# Altium PCB 平衡车Board_V1.0.PcbDoc
Units mm, origin at the board's own origin, x right, y up, seen from the top; angles counter-clockwise.
Board outline 90 x 59 mm, 2 copper layers (Top Layer, Bottom Layer); 62 components, 56 nets, 253 pads, 56 vias.
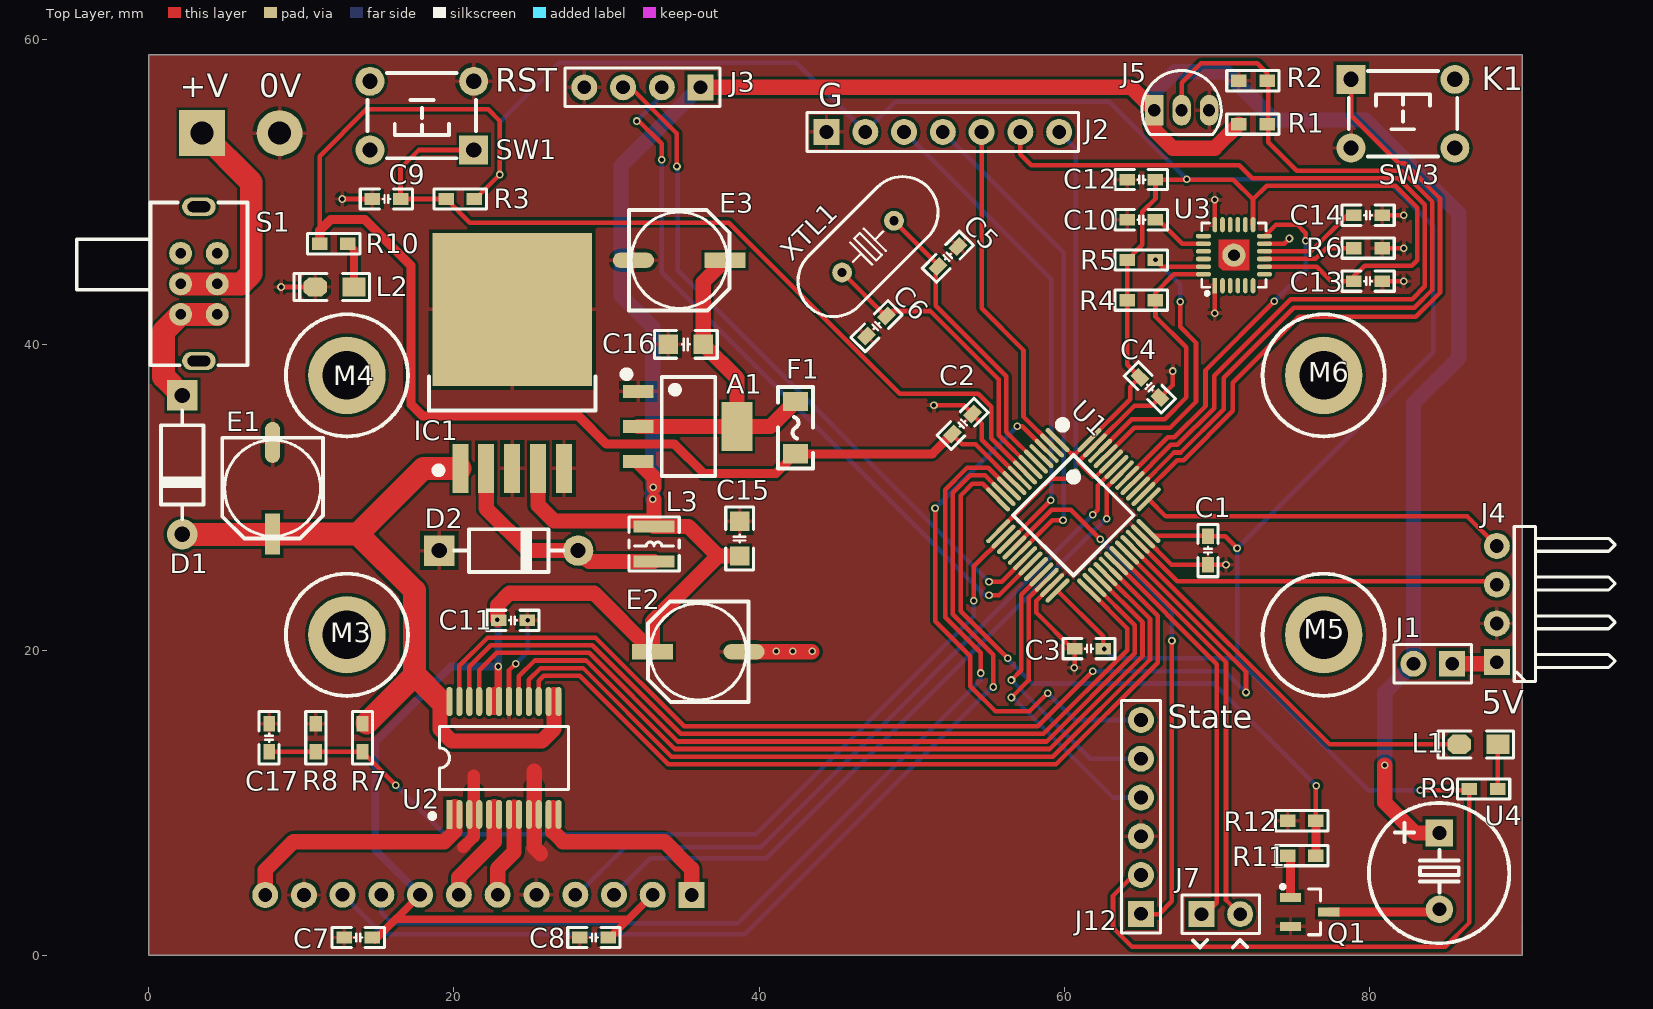
[diagram p0: Top Layer view]
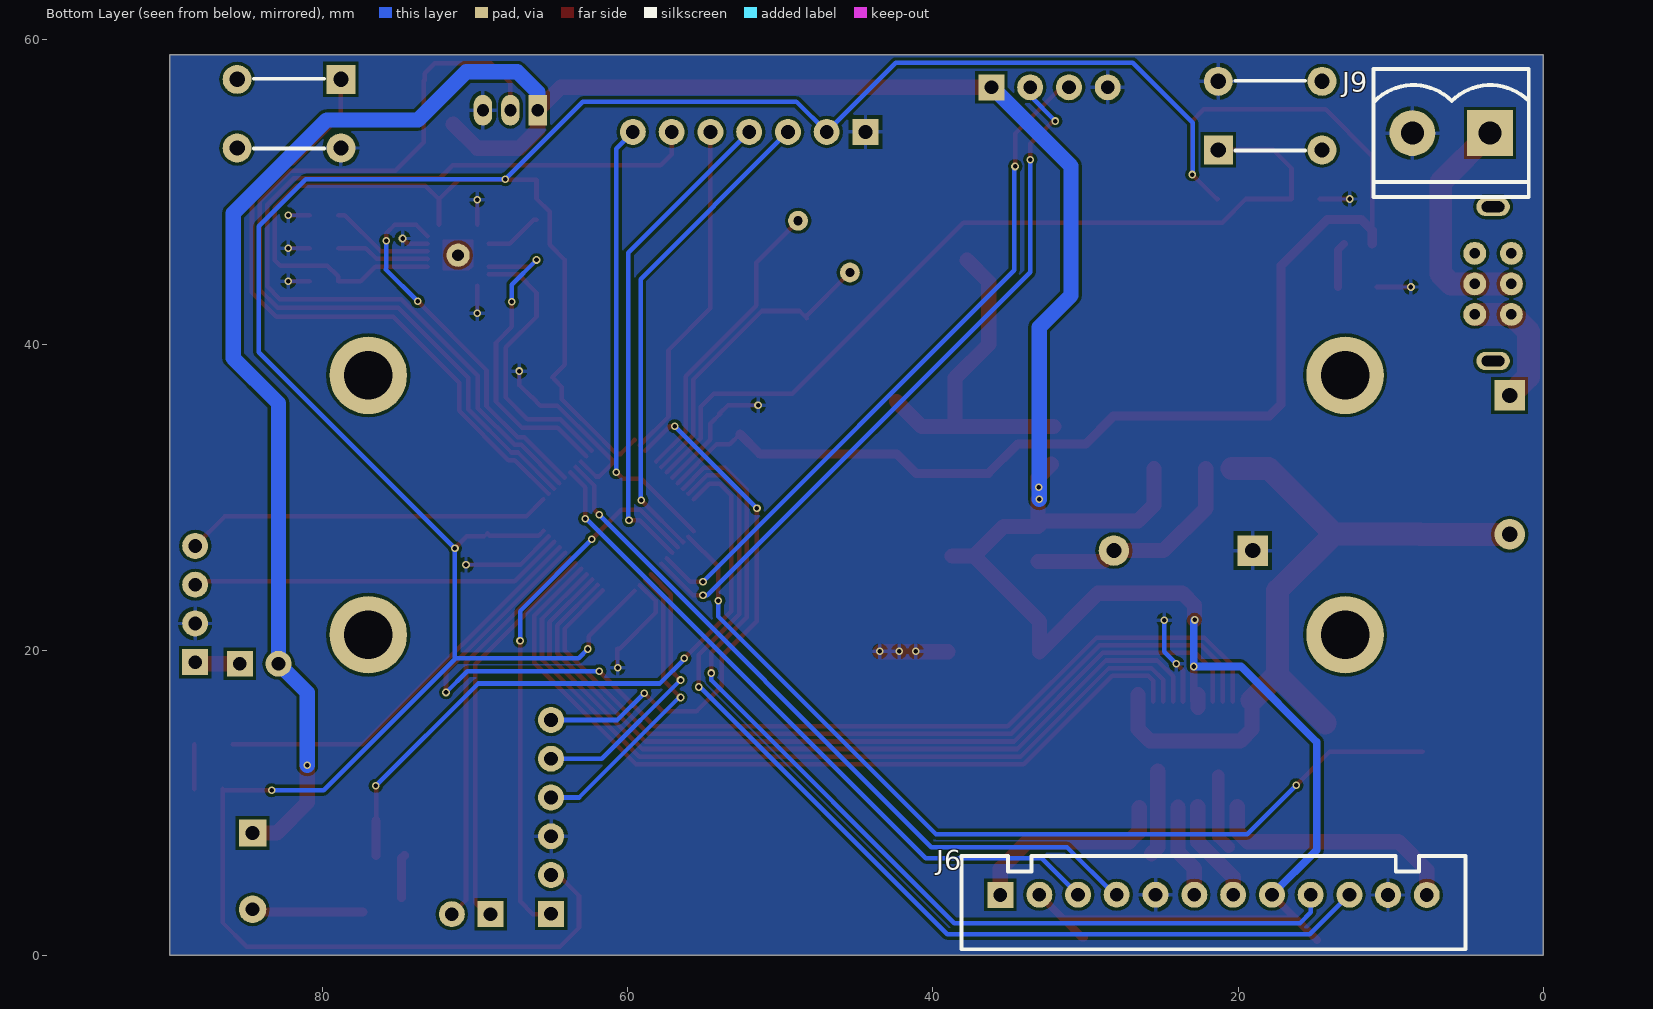
[diagram p1: Bottom Layer view, seen from below]

## Layer stack, top to bottom
Top Layer: signal copper 0.0356
Dielectric: dielectric 0.32, FR-4, Dk 4.8
Bottom Layer: signal copper 0.0356

## Board outline
0,0 0,59 90,59 90,0

## Design rules (kind name [scope] priority, off if disabled: settings)
Clearance [All] p1: gap=0.196
HoleSize [All] p1: absolutevalues=TRUE maxlimit=12.7 minlimit=0.025 maxpercent=80.000 minpercent=20.000
HoleToHoleClearance [All] p1: gap=0 allowstackedmicrovias=TRUE
MinimumSolderMaskSliver [All] p1: minsoldermaskwidth=0
PolygonConnect [All] p1: connectstyle=Relief reliefconductorwidth=0.254 reliefentries=4 polygonreliefangle="90 Angle" airgapwidth=0.254
RoutingVias [All] p1: holewidth=0.305 width=0.508 viastyle="Through Hole" minholewidth=0.305 minwidth=0.508 maxholewidth=0.305 maxwidth=0.508
SilkToSilkClearance [All] p1: silktosilkclearance=0
SilkscreenOverComponentPads [All] p1: minsilkscreentomaskgap=0
SolderMaskExpansion [All] p1: expansion=0.102
Width Width_5 [InNet('0V')] p1: maxlimit=1.016 minlimit=0.508 preferedwidth=0.508
Width Width_4 [InNet('OUTPUT')] p2: maxlimit=1.016 minlimit=1.016 preferedwidth=1.016
Width Width_3 [InNet('+24')] p3: maxlimit=1.016 minlimit=0.254 preferedwidth=1.016
Width Width_2 [InNet('24V')] p4: maxlimit=1.016 minlimit=1.016 preferedwidth=1.016
Width Width_1 [InNet('3V3')] p5: maxlimit=0.381 minlimit=0.254 preferedwidth=0.381
Width [All] p6: maxlimit=2.032 minlimit=0.254 preferedwidth=0.254
23 further rules are at their usual default settings.

## Components (designator, comment, footprint, x,y, rotation, side; value= is the part's Value field where it differs from the comment)
A1 "AMS117-3.3" SOT223_N 35.382,34.646 r270 top
C1 "104" "C 0603_M" 69.418,26.518 r90 top
C2 "104" "C 0603_M" 53.34,34.823 r225 top
C3 "104" "C 0603_M" 61.62,20.091 r0 top
C4 "104" "C 0603_M" 65.608,37.211 r135 top
C5 "20pF" "C 0603_M" 52.375,45.771 r225 top
C6 "20pF" "C 0603_M" 47.701,41.224 r45 top
C7 "104" "C 0603_M" 13.741,1.168 r0 top
C8 "104" "C 0603_M" 29.185,1.168 r0 top
C9 "104" "C 0603_M" 15.583,49.555 r0 top
C10 "2.2nf" "C 0603_M" 65.049,48.192 r180 top
C11 "104" "C 0603_M" 23.876,21.946 r180 top
C12 "104" "C 0603_M" 65.049,50.825 r0 top
C13 "104" "C 0603_M" 79.908,44.171 r0 top
C14 "104" "C 0603_M" 79.908,48.489 r180 top
C15 "105" "C 0805_M" 38.735,27.305 r270 top
C16 "105" "C 0805_M" 35.204,40.03 r0 top
C17 "104" "C 0603_M" 7.899,14.251 r270 top
D1 "1N4007" DO-41 2.21,32.131 r270 top
D2 "1N4007" DO-41 23.597,26.518 r0 top
E1 "10uF/10V" "CM D(6.3*7.7)" 8.128,30.607 r270 top
E2 "10uF/10V" "CM D(6.3*7.7)" 36.017,19.888 r180 top
E3 "10uF/10V" "CM D(6.3*7.7)" 34.773,45.542 r0 top
F1 "FUSE" "FU 1206" 42.393,34.569 r90 top
IC1 "LM2596-5.0V" TO263-5A 23.825,31.902 r0 top
J1 "CON2" HDR2.54-LI-2P 84.15,19.101 r180 top
J2 "CON7" "HDR2.54-M-LI-7P - for-Oled" 52.045,53.95 r0 top locked
J3 "CON4" HDR2.54-M-LI-4P 32.36,56.871 r180 top
J4 "CON4" HDR2.54-WI-4P 88.343,23.012 r90 top
J5 "CON3" "TO92A - duplicate" 67.691,55.372 r270 top
J6 "CON12" XH2.54-LI-12P 21.615,3.962 r180 bottom
J7 "CON2" HDR2.54-LI-2P 70.256,2.692 r0 top
J9 "CON2" CZ-5.08-L-Z-2P 3.505,53.873 r0 bottom
J12 "CON6" "HDR2.54-M-LI-6P - for-wifi" 65.024,9.068 r90 top
L1 "LED_0805" "LED 0805G" 87.147,13.818 r180 top
L2 "LED_0805" "LED 0805G" 12.192,43.79 r180 top
L3 "33uH" NR3012 33.122,26.949 r90 top
M3 "M3" M3x20_L 13,21 r0 top locked
M4 "M3" M3x20_L 13,38 r0 top locked
M5 "M3" M3x20_L 77,21 r0 top locked
M6 "M3" M3x20_L 77,38 r0 top locked
Q1 "8050" SOT23-3M 74.828,2.845 r270 top
R1 "10K" "R 0603_M" 72.365,54.458 r180 top
R2 "10K" "R 0603_M" 72.365,57.302 r180 top
R3 "5.1K" "R 0603_M" 20.422,49.555 r0 top
R4 "10K" "R 0603_M" 65.049,42.926 r180 top
R5 "10K" "R 0603_M" 65.049,45.559 r180 top
R6 "10K" "R 0603_M" 79.908,46.33 r0 top
R7 "10K" "R 0603_M" 14.021,14.251 r90 top
R8 "1K" "R 0603_M" 10.96,14.249 r270 top
R9 "1K" "R 0603_M" 87.478,10.897 r0 top
R10 "1K" "R 0603_M" 12.141,46.622 r0 top
R11 "1K" "R 0603_M" 75.565,6.528 r0 top
R12 "10K" "R 0603_M" 75.565,8.814 r0 top
S1 "SK-22D02" SK-22D02 3.302,43.993 r270 top
SW1 "3x6x5" "TSW DIP-6*6*5" 17.907,55.016 r180 top
SW3 "3x6x5" "TSW DIP-6*6*5" 82.194,55.143 r0 top
U1 "STM32F103C" "LQFP48 7X7_M" 60.604,28.829 r225 top locked
U2 "TB6612FNG" SSOP24_M 23.292,12.929 r90 top
U3 "MPU6050" "QFN24 4x4_M" 71.12,45.872 r0 top
U4 "蜂鸣器" "BEEP 5x9x5.5" 84.582,5.512 r180 top
XTL1 "8M" "OSC HC-49S" 47.142,46.431 r45 top

## Footprints (in the part's own frame and the unit in brackets; to place one, negate y for a bottom-side part, rotate by r counter-clockwise, add the part's x,y. Pads: shape width x height; smd on the part's side, far side on the other; paste and mask are expansions set on the pad)
"BEEP 5x9x5.5" [mm]
  rect 1.8x1.8 hole 0.9: 1(0,-2.5)
  round 1.8 hole 0.9: 2(0,2.5)
  silkscreen extent -4.58,-4.47 4.62,4.72, body extent -4.5,-4.5 4.5,4.5, height 5.45
"C 0603_M" [mil]
  rect 40x30 smd: 1(-36.5,0) 2(36.5,0)
  silkscreen extent -68,-26 68,26, body extent -31,-16 31,16, height 32
"C 0805_M" [mil]
  rect 50x50 smd: 1(-45,0) 2(45,0)
  silkscreen extent -81,-36 81,36, body extent -39,-24 39,24, height 20
"CM D(6.3*7.7)" [mm]
  rect 2.7x1 smd: 1(3,0)
  oval 2.7x1 smd: 2(-3,0)
  silkscreen extent -3.3,-3.3 3.3,3.3, body extent -3.5,-3.3 3.5,3.3, height 7.7
CZ-5.08-L-Z-2P [mm]
  rect 3x3 hole 1.5: 1(0,0)
  round 3 hole 1.5: 2(5.08,0)
  silkscreen extent -2.54,-4.2 7.62,4.2, body extent -2.48,-4.2 7.68,4.2, height 10.27
DO-41 [mm]
  rect 2x2 hole 1: 1(-4.55,0)
  round 2 hole 1: 2(4.55,0)
  silkscreen extent -3.56,-1.4 3.56,1.4, body extent -4.92,-1.29 4.98,1.31, height 2.65
"FU 1206" [mil]
  rect 50x65 smd: 1(-67.5,0) 2(67.5,0)
  silkscreen extent -105,-45 105,45, body extent -63,-32 63,32, height 34
HDR2.54-LI-2P [mm]
  rect 1.7x1.7 hole 0.9: 1(-1.27,0)
  round 1.7 hole 0.9: 2(1.27,0)
  silkscreen extent -2.54,-1.27 2.54,1.27, body extent -2.54,-1.27 2.54,1.27, height 8.5
HDR2.54-M-LI-4P [mm]
  rect 1.7x1.7 hole 0.9: 1(-3.81,0)
  round 1.7 hole 0.9: 2(-1.27,0) 3(1.27,0) 4(3.81,0)
  silkscreen extent -5.08,-1.27 5.08,1.27, body extent -5.08,-1.27 5.08,1.27, height 8.5
"HDR2.54-M-LI-6P - for-wifi" [mm]
  rect 1.7x1.7 hole 0.9: 1(-6.35,0)
  round 1.7 hole 0.9: 2(-3.81,0) 3(-1.27,0) 4(1.27,0) 5(3.81,0) 6(6.35,0)
  silkscreen extent -7.62,-1.27 7.62,1.27, body extent -9.5,-1.27 9.5,27.73, height 14
"HDR2.54-M-LI-7P - for-Oled" [mm]
  rect 1.7x1.7 hole 0.9: 1(-7.62,0)
  round 1.7 hole 0.9: 2(-5.08,0) 3(-2.54,0) 4(0,0) 5(2.54,0) 6(5.08,0) 7(7.62,0)
  silkscreen extent -8.89,-1.27 8.89,1.27, body extent -13.7,-26.28 13.6,1.52, height 14.01
HDR2.54-WI-4P [mm]
  rect 1.7x1.7 hole 0.9: 1(-3.81,0)
  round 1.7 hole 0.9: 2(-1.27,0) 3(1.27,0) 4(3.81,0)
  silkscreen extent -5.08,-7.76 5.08,-1.14, body extent -5.08,-7.77 5.08,1.27, height 4.85
"LED 0805G" [mil]
  rect 60x50 smd: 1(-50,0)
  oct 60x50 smd: 2(50,0)
  silkscreen extent -90,-35 105,35, body extent -39,-25 39,25, height 32
"LQFP48 7X7_M" [mm]
  oval 0.3x2.1 smd: 1(-2.75,-4.227) 2(-2.25,-4.227) 3(-1.75,-4.227) 4(-1.25,-4.227) 5(-0.75,-4.227) 6(-0.25,-4.227) 7(0.25,-4.227) 8(0.75,-4.227) 9(1.25,-4.227) 10(1.75,-4.227) 11(2.25,-4.227) 12(2.75,-4.227) 25(2.75,4.202) 26(2.25,4.202) 27(1.75,4.202) 28(1.25,4.202) 29(0.75,4.202) 30(0.25,4.202) 31(-0.25,4.202) 32(-0.75,4.202) 33(-1.25,4.202) 34(-1.75,4.202) 35(-2.25,4.202) 36(-2.75,4.202)
  oval 2.1x0.3 smd: 13(4.227,-2.75) 14(4.227,-2.25) 15(4.227,-1.75) 16(4.227,-1.25) 17(4.227,-0.75) 18(4.227,-0.25) 19(4.227,0.25) 20(4.227,0.75) 21(4.227,1.25) 22(4.227,1.75) 23(4.227,2.25) 24(4.227,2.75) 37(-4.227,2.75) 38(-4.227,2.25) 39(-4.227,1.75) 40(-4.227,1.25) 41(-4.227,0.75) 42(-4.227,0.25) 43(-4.227,-0.25) 44(-4.227,-0.75) 45(-4.227,-1.25) 46(-4.227,-1.75) 47(-4.227,-2.25) 48(-4.227,-2.75)
  silkscreen extent -3.93,-4.95 2.79,2.79, body extent -4.5,-4.5 4.5,4.5, height 1.45
M3x20_L [mm]
  round 5.08 hole 3.175: 1(0,0)
  silkscreen extent -4,-4 4,4, body extent -2.7,-2.35 2.7,2.35, height 20.05
NR3012 [mm]
  rect 0.8x2.7 smd: 1(-1.15,0) 2(1.15,0)
  silkscreen extent -1.78,-1.65 1.78,1.65, body extent -1.5,-1.5 1.5,1.5, height 1.35
"OSC HC-49S" [mm]
  round 1.3 hole 0.6: 1(-2.4,0) 2(2.4,0)
  silkscreen extent -5.52,-2.32 5.52,2.33, body extent -5.52,-2.32 5.53,2.33, height 4.13
"QFN24 4x4_M" [mm]
  rect 0.3x1 smd: 1(-1.25,-2)
  oval 0.3x1 smd: 2(-0.75,-2) 3(-0.25,-2) 4(0.25,-2) 5(0.75,-2) 6(1.25,-2) 13(1.25,2) 14(0.75,2) 15(0.25,2) 16(-0.25,2) 17(-0.75,2) 18(-1.25,2)
  oval 1x0.3 smd: 7(2,-1.25) 8(2,-0.75) 9(2,-0.25) 10(2,0.25) 11(2,0.75) 12(2,1.25) 19(-2,1.25) 20(-2,0.75) 21(-2,0.25) 22(-2,-0.25) 23(-2,-0.75) 24(-2,-1.25)
  rect 1x1 smd: 25(0,0)
  Top Layer region: -1,1 1,1 1,-1 -0.75,-1 -1,-0.75
  silkscreen extent -2.11,-2.6 2.11,2.11, body extent -2.01,-2.01 2.01,2.01, height 0.95
"R 0603_M" [mil]
  rect 40x31.5 smd: 1(-36.5,0) 2(36.5,0)
  silkscreen extent -68,-26 68,26, body extent -31,-16 32,16, height 16
SK-22D02 [mm]
  oval 1.2x2.2 hole 0.7 slot 1.5 at 90 deg: 0(-5.05,0) 0(5.05,0)
  round 1.5 hole 0.7: 1(-2,-1.2) 2(0,-1.2) 3(2,-1.2) 4(2,1.2) 5(0,1.2) 6(-2,1.2)
  silkscreen extent -5.33,-8 5.33,3.18, body extent -5.27,-7.96 5.25,3.05, height 5.59
SOT23-3M [mm]
  rect 0.6x1.4 smd: 1(-0.95,0) 2(0.95,0) 3(0,2.514)
  silkscreen extent -1.78,-0.63 1.5,1.97, body extent -1.5,0.07 1.5,2.47, height 1.05
SOT223_N [mm]
  rect 0.85x2 smd: 1(-2.3,-3.302) 2(0,-3.302) 3(2.3,-3.302)
  rect 3.2x2 smd: 2(0,3.175)
  silkscreen extent -3.63,-4.26 3.25,1.75, body extent -3.25,-3.51 3.25,3.51, height 1.65
SSOP24_M [mm]
  rect 1.9x0.4 smd: 1(-3.7,3.575)
  oval 1.9x0.4 smd: 2(-3.7,2.925) 3(-3.7,2.275) 4(-3.7,1.625) 5(-3.7,0.975) 6(-3.7,0.325) 7(-3.7,-0.325) 8(-3.7,-0.975) 9(-3.7,-1.625) 10(-3.7,-2.275) 11(-3.7,-2.925) 12(-3.7,-3.575) 13(3.7,-3.575) 14(3.7,-2.925) 15(3.7,-2.275) 16(3.7,-1.625) 17(3.7,-0.975) 18(3.7,-0.325) 19(3.7,0.325) 20(3.7,0.975) 21(3.7,1.625) 22(3.7,2.275) 23(3.7,2.925) 24(3.7,3.575)
  silkscreen extent -3.93,-4.23 2.06,4.83, body extent -3.85,-4.15 3.85,4.15, height 1.65
"TO92A - duplicate" [mm]
  rect 2x1.2 hole 0.8: 1(0,-1.8)
  oval 2x1.2 hole 0.8: 2(0,0) 3(0,1.8)
  silkscreen extent -2.6,-2.6 1.6,2.6, body extent -2.3,-2.3 1.3,2.3, height 7.6
TO263-5A [mm]
  rect 1.05x3.2 smd: 1(-3.4,0) 2(-1.7,0) 3(0,0) 4(1.7,0) 5(3.4,0)
  rect 10.45x10 smd: 3(0,10.414)
  silkscreen extent -5.46,-0.33 5.46,6.04, body extent -5,-0.01 5,13.32, height 4.5
"TSW DIP-6*6*5" [mm]
  rect 1.9x1.9 hole 1: 1(-3.4,2.25)
  round 1.9 hole 1: 2(-3.4,-2.25) 3(3.4,-2.25) 4(3.4,2.25)
  silkscreen extent -3.56,-2.79 3.56,2.79, body extent -4.11,-3 4.11,3, height 4.95
XH2.54-LI-12P [mm]
  rect 1.7x1.7 hole 0.9: 1(-13.97,-0.009)
  round 1.7 hole 0.9: 2(-11.417,0.003) 3(-8.877,0.003) 4(-6.35,0.009) 5(-3.797,0.003) 6(-1.257,0.003) 7(1.283,0.003) 8(3.823,0.003) 9(6.363,0.003) 10(8.903,0.003) 11(11.43,-0.009) 12(13.97,-0.009)
  silkscreen extent -16.51,-3.57 16.51,2.53, body extent -16.47,-3.31 16.47,2.39, height 7.05

## Free pads (board coordinates)
  round 1.524 hole 0.762: 1(71.12,45.872)

## Via types
v1: diameter 0.5, hole 0.3, Top Layer to Bottom Layer, 42 vias
v2: diameter 0.508, hole 0.305, Top Layer to Bottom Layer, 14 vias

## Nets (pads, with @x,y where several pads share a name; then routed paths per layer and width w, separated by ;. In a path a pad name is that pad's centre, name@x,y a point inside that pad or via, vN(x,y) a via of type N, cw(c..) or ccw(c..) an arc to the next point about the centre after c; other vN are vias at no path point)
3.3V: C1.2 C2.2 C3.2 C4.2 C12.2 C13.1 F1.1 J2.2 J12.2 R3.2 R4.2 R5.2 R9.1 R10.1 U1.1 U1.9 U1.24 U1.36 U1.48 U3.8 U3.13 | length 326
  Top Layer w0.3: R10.1 11.214,52.362 14.275,55.423 22.25,55.423 23.012,54.661 v1(23.012,51.156) 21.412,49.555 R3.2 ; C2.2@52.646,34.155 53.324,33.477 54.188,33.477 U1.9 ; U1.24 62.547,20.908 C3.2 ; U1.1 60.477,32.845 60.738,32.845 61.507,33.614 61.507,33.62 U1.48@61.601,33.715 ; U1.48 64.313,36.426 64.313,37.236 C4.2@64.846,37.77 ; C4.2 64.122,38.697 R4.2 R5.2 65.123,46.56 65.123,48.716 65.977,49.57 C12.2 71.069,50.825 72.37,49.525 ; J12.2 64.541,5.258 63.195,3.912 63.195,1.803 64.44,0.559 84.963,0.559 86.55,2.146 R9.1 86.474,10.82 v1(83.337,10.82) ; U1.36 65.84,27.483 69.037,27.483 C1.2@69.19,27.635 ; C1.2 70.549,27.445 v1(71.323,26.67) ; U3.13 72.37,49.525 ; U3.8 76.544,45.122 77.495,44.171 C13.1 78.981,44.488 79.68,45.187 82.779,45.187 83.134,45.542 83.134,48.971 81.686,50.419 73.264,50.419 72.37,49.525
  Top Layer w0.6: R10.1 11.214,47.485 11.938,48.209 14.173,48.209 17.196,45.187 17.196,36.093 17.958,35.331 28.169,35.331 29.997,33.503 34.442,33.503 36.373,31.572 41.11,31.572 F1.1 51.346,32.855 C2.2@52.646,34.155
  Bottom Layer w0.3: v1@22.987,51.13 22.987,54.559 26.899,58.471 42.443,58.471 J2.2 48.946,55.931 62.941,55.931 v1(68.021,50.851) 81.102,50.851 84.176,47.777 84.176,39.522 v1(71.323,26.67) 71.323,19.507 71.272,19.456 ; v1(62.611,20.066) 63.221,19.456 71.272,19.456 ; v1(83.337,10.82) 79.908,10.82 71.272,19.456
5V: A1.3 C7.2 C8.2 C11.2 C15.2 E2.1 IC1.4 J1.2 J3.1 J5.1 J6.2 J6.8 L3.2 R1.2 U2.19 U2.20 U4.1 | length 231.8
  Top Layer w0.508: C7.2@14.832,1.005 J6.8 ; 16.18,2.362 31.429,2.362 ; U2.19@22.911,16.685 v1(22.911,18.923) ; C8.2 30.235,1.168 31.429,2.362 ; J6.2 31.429,2.362
  Top Layer w1: 22.631,16.231 22.631,17.094 ; v1(22.86,21.971) 22.86,22.936 23.647,23.724 29.182,23.724 E2.1 33.017,21.867 37.313,26.162 ; IC1.4 25.525,29.491 26.568,28.448 32.773,28.448 L3.2 ; A1.3@32.233,32.182 33.11,31.304 33.122,31.304 v1@33.122,30.658 ; v1@33.122,29.87 L3.2 ; J3.1 64.392,56.871 J5.1 65.891,54.099 67.107,52.883 69.863,52.883 R1.2 ; C15.2 37.313,26.162 ; v1(81.001,12.446) 81.001,10.008 82.996,8.012 U4.1 ; L3.2 35.375,28.099 37.313,26.162
  Bottom Layer w0.508: J6.8 14.859,6.899 14.859,13.97 19.812,18.923 v1(22.911,18.923) 22.911,21.92 v1(22.86,21.971)
  Bottom Layer w1: v1(33.045,29.87) 33.045,41.148 30.963,43.231 30.963,51.714 36.004,56.756 J3.1@36.004,57.036 ; J5.1 65.891,56.544 67.234,57.887 70.587,57.887 73.736,54.737 79.731,54.737 85.852,48.616 85.852,39.141 82.88,36.17 J1.2 81.001,17.221 v1(81.001,12.446)
  other v1: 33.071,30.658
12V: D1.2 E1.1 IC1.1 R7.2 U2.13 U2.14 U2.24 | length 49.9
  Top Layer w1: 19.101,16.713 19.101,14.808 19.863,14.046 25.781,14.046 26.568,14.834 26.568,17.094
  Top Layer w1.5: D1.2 8.102,27.581 E1.1 13.719,27.607 ; R7.2@14.3,15.215 17.424,18.339 ; 19.101,16.713 17.475,18.339 17.424,18.339 ; IC1.1 18.014,31.902 13.719,27.607 ; 13.719,27.607 17.424,23.901 17.424,18.339
12V_IN: D1.1 S1.3 S1.4 | length 8.7
  Top Layer w1.5: D1.1 0.991,37.9 0.991,40.881 S1.3 S1.4
GND: A1.1 C1.1 C2.1 C3.1 C4.1 C5.1 C6.1 C7.1 C8.1 C9.1 C10.2 C11.1 C12.1 C13.2 C14.1 C15.1 C16.1 C17.1 D2.1 E1.2 E2.2 E3.2 IC1.3 IC1.5 J2.1 J3.4 J4.2 J5.3 J6.5 J6.11 J9.2 J12.3 L2.2 Q1.2 R2.2 R6.2 R8.1 R12.1 SW1.2 SW3.2 U1.8 U1.23 U1.35 U1.44 U1.47 U2.3 U2.4 U2.9 U2.10 U2.18 U3.1 U3.11 U3.18 | length 67.9
  Top Layer w0.3: v2(8.687,43.79) L2.2 ; v2(12.7,49.555) C9.1 ; U2.18 23.617,18.664 v1(24.054,19.101) ; v2(51.46,36.043) 53.432,36.043 C2.1 ; C2.1@53.957,35.466 54.585,34.839 54.585,33.788 U1.8 ; U1.23 58.179,23.222 58.179,22.441 60.528,20.091 C3.1 v1@60.693,18.961 ; U1.44 62.084,31.369 61.878,31.369 60.96,32.287 60.96,32.367 U1.47 62.002,33.415 64.604,36.017 65.726,36.017 C4.1 66.299,36.555 67.107,37.363 v2(67.107,38.278) ; U1.35 67.025,25.59 C1.1 v2(70.599,25.59) ; v2(69.865,42.062) 69.87,42.057 U3.1 ; U3.18 v1(69.87,49.51) ; U3.11 74.41,46.622 v2(74.752,46.965) ; C13.2 v2(82.245,44.171) ; R6.2 v2(82.245,46.33) ; C14.1 v2(82.245,48.489)
  Top Layer w0.8: 20.625,7.087 21.311,7.772 21.311,11.786
  Top Layer w1: 25.273,12.065 25.273,7.061 25.679,6.655 ; E2.2 v1@43.459,19.888
  Bottom Layer w0.3: v1(24.054,19.101) 24.841,19.888 v1(24.841,21.946) ; v2(70.599,25.59) v2@70.612,25.578
  other v1: 60.655,18.847 41.123,19.914 42.215,19.914 43.485,19.914
LED1_PA12: L1.2 U1.33 | length 26.8
  Top Layer w0.3: U1.33 77.384,13.818 L1.2
MOT1+: J6.12 U2.1 U2.2 | length 16.7
  Top Layer w1: J6.12 7.645,5.588 9.5,7.442 19.38,7.442 20.066,8.128 20.066,9.754
MOT1-: J6.7 U2.5 U2.6 | length 6.7
  Top Layer w1: J6.7 20.333,5.118 22.657,7.442 22.657,9.728
MOT2+: J6.6 U2.7 U2.8 | length 6.2
  Top Layer w1: J6.6 22.873,5.677 23.952,6.756 23.952,9.703
MOT2-: J6.1 U2.11 U2.12 | length 13.4
  Top Layer w1: 26.492,9.677 26.492,8.098 27.148,7.442 33.807,7.442 35.585,5.664 J6.1
NetA1_2: A1.2 C16.2 E3.1 F1.2 | length 23.4
  Top Layer w1: A1.2@32.08,34.646 A1.2@38.557,34.646 ; E3.1 36.347,44.117 C16.2 38.557,37.821 A1.2@38.557,34.646 ; F1.2 40.754,34.646 A1.2@38.557,34.646
NetC10_1: C10.1 U3.20 | length 3.8
  Top Layer w0.3: C10.1 66.159,48.192 67.728,46.622 U3.20
NetC14_2: C14.2 U3.10 | length 6.8
  Top Layer w0.3: U3.10 76.171,46.122 78.537,48.489 C14.2
NetD2_2: D2.2 IC1.2 L3.1 | length 15.1
  Top Layer w1: IC1.2 22.125,29.284 24.892,26.518 D2.2 28.865,25.799 L3.1
NetJ1_1: J1.1 J4.1 | length 3
  Top Layer w1: J1.1 88.241,19.101 J4.1
NetL1_1: L1.1 R9.2 | length 2.9
  Top Layer w0.3: R9.2 88.417,10.909 L1.1
NetL2_1: L2.1 R10.2 | length 3
  Top Layer w0.5: R10.2 13.462,46.228 L2.1
NetQ1_1: Q1.1 R11.1 | length 2.8
  Top Layer w0.6: R11.1 74.828,6.337 Q1.1
NetQ1_3: Q1.3 U4.2 | length 7.1
  Top Layer w0.6: Q1.3 U4.2@84.415,2.845
NetR6_1: R6.1 U3.9 | length 6.2
  Top Layer w0.3: U3.9 73.124,45.627 76.462,45.627 77.165,46.33 R6.1
OCS_IN: C5.2 U1.5 XTL1.2 | length 19.6
  Top Layer w0.3: XTL1.2 51.592,45.375 51.592,42.553 56.21,37.935 56.21,34.29 U1.5@58.146,32.355
OCS_OUT: C6.2 U1.6 XTL1.1 | length 20.2
  Top Layer w0.3: XTL1.1 48.3,41.88 C6.2 ; C6.2@48.281,41.753 48.743,42.215 51.229,42.215 55.715,37.73 55.715,34.072 U1.6
PA0_ECODE_1A: J6.9 U1.10 | length 66.1
  Top Layer w0.3: v1(54.534,18.491) 54.534,19.812 52.197,22.149 52.197,30.51 53.628,31.941 55.011,31.941 56.372,30.581 U1.10
  Bottom Layer w0.3: J6.9 15.253,2.807 15.951,2.108 38.608,2.108 54.534,18.034 v1(54.534,18.491)
PA1_ECODE_1B: J6.10 U1.11 | length 68.5
  Top Layer w0.3: v1(55.347,17.577) 55.347,19.7 52.705,22.342 52.705,30.317 53.833,31.445 54.806,31.445 U1.11
  Bottom Layer w0.3: J6.10 15.307,1.372 39.065,1.372 v1@55.321,17.628
PA2_BUZZER: R11.2 R12.2 U1.12 | length 43.4
  Top Layer w0.3: U1.12 54.658,30.886 53.975,30.886 53.213,30.124 53.213,22.535 v1(56.291,19.456) ; R12.2 76.492,11.087 v1(76.505,11.1)
  Top Layer w0.6: R11.2 R12.2
  Bottom Layer w0.3: v1@56.276,19.441 57.912,17.805 69.799,17.805 v1(76.505,11.1)
PA3_CS: J2.7 U1.13 | length 29.4
  Top Layer w0.3: U1.13 59.103,31.217 60.325,31.217 v1(60.757,31.648)
  Bottom Layer w0.3: J2.7 60.757,52.857 v1(60.757,31.648)
PA4_DC_FEEDBACK: C17.2 R7.1 R8.2 U1.14 | length 60.4
  Top Layer w0.3: C17.2 R7.1 v2(16.205,11.14) ; v1(54.077,23.241) 54.077,25.483 U1.14
  Bottom Layer w0.3: v2(16.205,11.14) 19.42,7.925 39.802,7.925 54.077,22.2 v1@54.077,23.317
PA5_D0(SCL): J2.3 U1.15 | length 32.1
  Top Layer w0.3: U1.15 v1@59.113,29.812
  Bottom Layer w0.3: J2.3 59.157,44.298 59.157,29.896 59.08,29.82 v1(59.106,29.82)
PA7_D1(SDA): J2.4 U1.17 | length 32.4
  Top Layer w0.3: U1.17 59.214,28.499 v1(59.919,28.499)
  Bottom Layer w0.3: J2.4 59.969,46.025 v1@59.969,28.499
PA8_PWMA: U1.29 U2.15 | length 54.6
  Top Layer w0.3: U2.15 25.567,17.995 25.897,18.325 28.26,18.325 34.062,12.522 59.461,12.522 66.116,19.177 66.116,22.257 U1.29
PA11_PWMB: U1.32 U2.23 | length 71.5
  Top Layer w0.3: U2.23 20.367,18.959 22.21,20.803 29.286,20.803 35.089,15 58.256,15 v1(61.874,18.618) ; U1.32 71.907,18.587 v1@71.907,17.196
  Bottom Layer w0.3: v1(61.874,18.618) 70.51,18.618 v1(71.907,17.221)
PA15_SW1: SW3.1 U1.38 | length 42.6
  Top Layer w0.3: U1.38 67.405,32.448 67.824,32.448 71.044,35.667 71.044,37.516 75.362,41.834 83.037,41.834 84.621,43.417 84.621,49.587 82.302,51.906 81.906,51.906 78.794,55.018 SW3.1
PB0_IN: J3.3 U1.18 | length 45.8
  Top Layer w0.3: J3.3@31.09,57.379 34.62,53.848 v2(34.62,51.689) ; v1(55.067,24.486) 55.907,24.486 U1.18
  Bottom Layer w0.3: v2@34.671,51.689 34.671,44.882 v1(55.067,24.486)
PB1_OUT: J3.2 U1.19 | length 47.4
  Top Layer w0.3: v1(31.979,54.661) 32.131,54.661 33.63,53.162 v1(33.63,52.121) ; v1(55.067,23.597) 55.726,23.597 U1.19
  Bottom Layer w0.3: v1(31.979,54.661) 33.63,56.312 J3.2 ; v1(33.63,52.121) 33.63,44.755 54.788,23.597 v1(55.067,23.597)
PB3_YAOKONG: J5.2 R1.1 R2.1 U1.39 | length 56.5
  Top Layer w0.3: U1.39 67.194,32.943 67.619,32.943 70.46,35.784 70.46,37.846 75.032,42.418 82.921,42.418 84.125,43.623 84.125,49.382 82.097,51.41 75.234,51.41 73.368,53.276 R1.1@73.368,54.242 ; J5.2 67.691,57.175 68.961,58.445 72.644,58.445 73.292,57.798 R2.1 ; R1.1@73.368,54.458 R2.1@73.368,57.302
PB4_DC: J2.6 U1.40 | length 60.4
  Top Layer w0.3: J2.6 57.125,52.476 57.836,51.765 71.476,51.765 72.326,50.915 81.892,50.915 83.63,49.176 83.63,43.828 82.792,42.99 74.841,42.99 69.825,37.973 69.825,35.85 67.414,33.439 66.982,33.439 U1.40
PB5_MPU6050_INT: U1.41 U3.12 | length 24.2
  Top Layer w0.3: U1.41 66.77,33.934 67.208,33.934 69.253,35.979 69.253,38.342 v2(73.762,42.85) ; U3.12 73.851,47.854 75.286,47.854 75.819,47.32 v1(75.819,46.812)
  Bottom Layer w0.3: v2(73.762,42.85) 75.844,44.933 ; 75.819,45.06 v1(75.819,46.812)
PB6_ECODE_2A: J6.3 U1.42 | length 46
  Top Layer w0.3: v1(62.789,28.6) 62.789,30.66 U1.42
  Bottom Layer w0.3: J6.3 32.877,6.35 40.462,6.35 v1@62.789,28.677
PB7_ECODE_2B: J6.4 U1.43 | length 48
  Top Layer w0.3: v1(61.874,28.854) 62.205,29.185 62.205,30.783 U1.43
  Bottom Layer w0.3: J6.4 28.102,3.972 31.217,7.087 40.107,7.087 v1(61.874,28.854)
PB8_SCL: R5.1 U1.45 U3.23 | length 21.1
  Top Layer w0.3: U1.45 64.577,34.569 66.929,34.569 68.631,36.271 68.631,40.132 67.589,41.173 v1(67.589,42.824) ; v1(65.977,45.559) 66.413,45.122 U3.23
  Bottom Layer w0.3: v1(65.977,45.559) 67.589,43.946 v1(67.589,42.824)
PB9_SDA: R4.1 U1.46 U3.24 | length 18.4
  Top Layer w0.3: U1.46 64.429,35.128 66.573,35.128 67.996,36.551 67.996,39.827 65.977,41.846 R4.1 65.977,43.421 67.178,44.622 U3.24
PB10_TX_LANYA_RX: J12.5 U1.21 | length 18.4
  Top Layer w0.3: v1(56.54,18.034) 57.175,18.669 57.175,23.632 U1.21
  Bottom Layer w0.3: v1(56.54,18.034) 61.697,12.878 J12.5
PB11_RX_LANYA_TX: J12.4 U1.22 | length 19.8
  Top Layer w0.3: v1(56.54,16.891) 57.683,18.034 57.683,23.433 U1.22
  Bottom Layer w0.3: v1@56.642,16.891 63.195,10.338 J12.4
PB12_BIN2: U1.25 U2.22 | length 55.6
  Top Layer w0.3: U2.22 21.017,18.909 22.415,20.307 29.081,20.307 34.884,14.504 58.64,14.504 64.134,19.998 64.134,21.41 U1.25
PB13_BIN1: U1.26 U2.21 | length 55.8
  Top Layer w0.3: U2.21 21.667,18.67 22.809,19.811 28.876,19.811 34.678,14.009 58.845,14.009 64.629,19.793 64.629,21.616 61.984,24.261 U1.26
PB14_AIN1: U1.27 U2.17 | length 54
  Top Layer w0.3: U2.17 24.267,18.272 25.31,19.316 28.67,19.316 34.473,13.513 59.051,13.513 65.125,19.588 65.125,21.827 65.115,21.838 65.115,21.844 U1.27
PB15_AIN2: U1.28 U2.16 | length 54.3
  Top Layer w0.3: U2.16 24.917,18.046 25.691,18.82 28.465,18.82 34.268,13.018 59.256,13.018 65.621,19.382 65.621,22.039 62.691,24.968 U1.28
PC13_RES: J2.5 U1.2 | length 22.5
  Top Layer w0.3: J2.5 54.585,42.383 57.328,39.639 57.328,35.288 U1.2
PWR: J9.1 S1.2 S1.5 | length 15.5
  Top Layer w1.5: S1.2 S1.5 6.071,43.993 6.731,44.653 6.731,50.648 J9.1
RST: C9.2 R3.1 SW1.1 U1.7 | length 56.9
  Top Layer w0.3: SW1.1 17.714,52.766 16.51,51.562 C9.2 R3.1 21.044,48.006 38.024,48.006 49.225,36.805 54.356,36.805 55.219,35.942 55.219,33.867 57.439,31.647 U1.7
STATE: J12.6 U1.3 | length 35.9
  Top Layer w0.3: v2(51.537,29.286) 51.537,21.895 53.848,19.583 53.848,17.628 55.474,16.002 57.734,16.002 58.903,17.17 v1(58.928,17.17) ; v1(56.921,34.671) 57.237,34.671 U1.3
  Bottom Layer w0.3: v2(51.537,29.286) v1(56.921,34.671) ; v1(58.928,17.17) 60.681,15.418 J12.6
TCK: J4.4 U1.37 | length 24.1
  Top Layer w0.3: U1.37 66.658,28.753 86.412,28.753 J4.4
TMS: J4.3 U1.34 | length 24.7
  Top Layer w0.3: U1.34 67.397,24.511 88.165,24.511 J4.3@88.343,24.333
USART1_RX: J7.2 U1.31 | length 26.6
  Top Layer w0.3: U1.31 70.599,19.188 70.599,3.62 J7.2
USART1_TX: J7.1 U1.30 | length 26
  Top Layer w0.3: U1.30 70.002,19.077 70.002,3.429 J7.1@69.291,2.718
WAKE: J12.1 U1.16 | length 35.5
  Top Layer w0.3: U1.16 59.192,29.185 60.427,29.185 v1(62.357,27.254) ; J12.1 65.049,2.692 66.22,2.692 67.056,3.529 v1(67.056,20.599)
  Bottom Layer w0.3: v1(62.357,27.254) 67.056,22.555 v1(67.056,20.599)
pads on no net: M3.1 M4.1 M5.1 M6.1 S1.0 S1.1 S1.6 SW1.3 SW1.4 SW3.3 SW3.4 U1.4 U1.20 U3.2 U3.3 U3.4 U3.5 U3.6 U3.7 U3.14 U3.15 U3.16 U3.17 U3.19 U3.21 U3.22 U3.25

## Polygon pours and split planes (outlines as drawn)
GND on Top Layer "Top Layer-No Net" (solid, pour order 12): 89.967,2.261 89.967,0.025 89.496,0.025 88.316,1.206 88.316,1.27
GND on Top Layer "Top Layer-No Net" (solid, pour order 8): 0,0 0.025,0.025 89.992,0.025 89.662,0.025 88.697,0.991 89.967,2.261 89.967,58.979 0.051,58.979
GND on Bottom Layer "Top Layer-No Net" (solid, pour order 10): 0,58.979 0,0 89.992,0 89.992,58.953 89.967,58.979

## Silkscreen, mask and mechanical layers (free items; w line width, h text height)
Top Overlay:
  lines w0.254: 68.428,0.965 68.885,0.508 ; 68.91,0.533 69.367,0.991 ; 71.044,0.508 71.526,0.991 71.984,0.533
  text "K1" at 87.351,56.693 h1.52
  text "RST" at 22.708,56.591 h1.52
  text "+V" at 2.032,56.236 h1.52
  text "0V" at 7.264,56.236 h1.52
  text "G" at 43.891,55.601 h1.52
  text "5V" at 87.351,15.824 h1.52
  text "State" at 66.777,14.859 h1.52
Mechanical 1:
  the board outline again, w0.254